# Allegro board 6089-103-RevB_76.brd (continued)
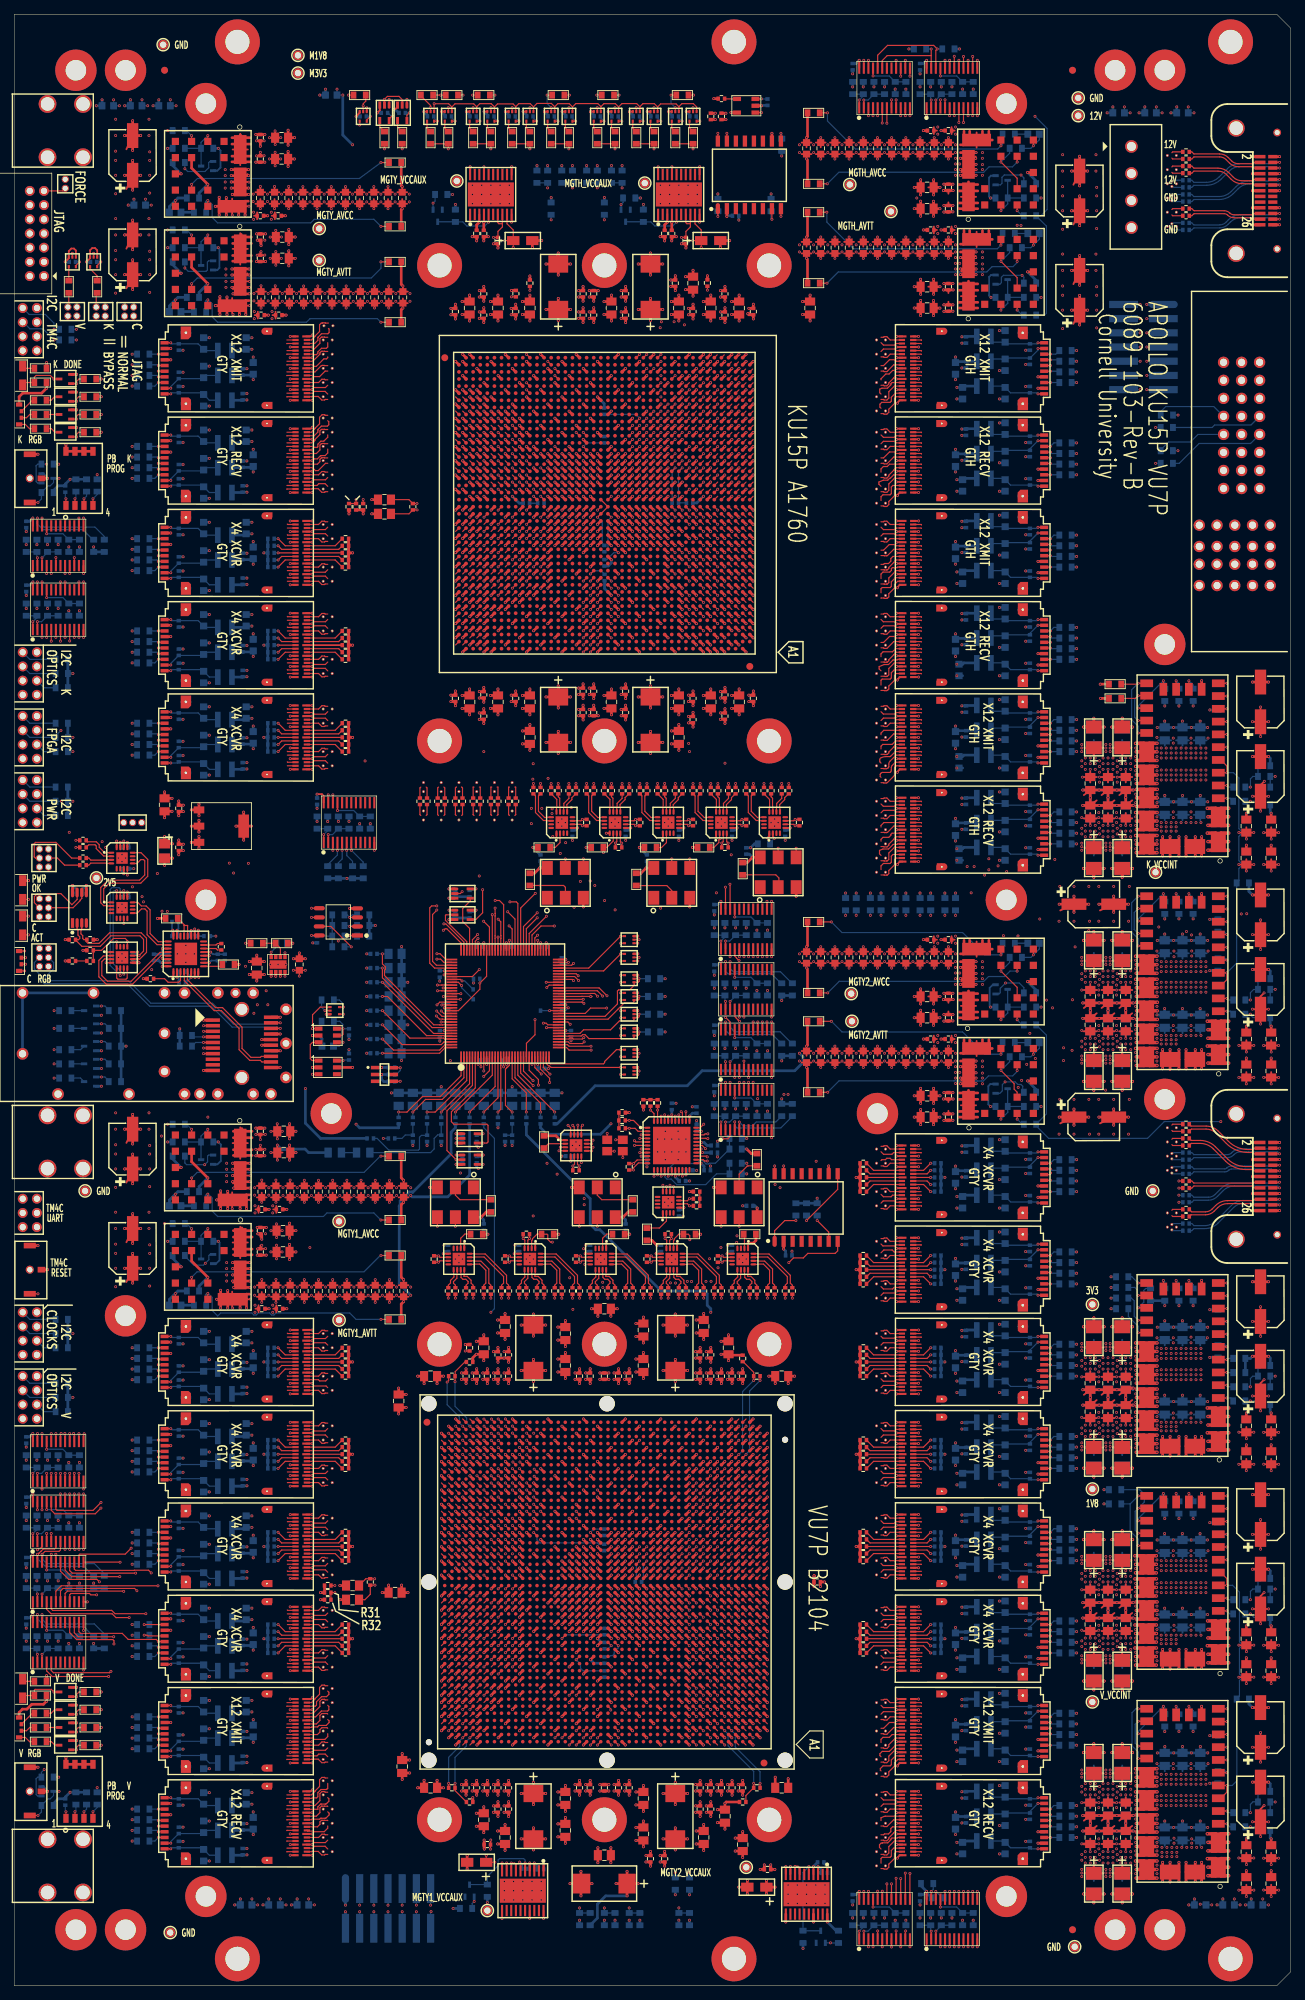
[diagram p0: board, top side]
## Routing (per net, layer and track width the routed paths; a pad name or vN(x,y) marks a point on that pad's centre or on a via; arc(x,y) is an arc through that point) (continued)
43.18,44.9 ; 43.56,44.9 43.38,44.49 ; 172.29,210.23 P1.9 ; P1.9 173.77,210.23 ; P1.9 172.05,210.97 ; P1.9 174.01,210.97 ; P1.9 172.29,211.71 ; P1.9 173.03,211.95 ; P1.9 173.77,211.71 ; P1.9 173.03,209.99 ; VA23.3 44.84,172.28 ; VA23.3 45.02,172.31 ; VA23.3 45.25,171.71 ; VA23.3 45.22,171.9 ; VA23.3 45.16,172.22 ; VA23.3 45.16,171.58 ; VA23.3 45.25,172.09 ; VA23.3 44.84,171.52 ; 121.15,157.09 VA100.4 ; VA100.4 121.15,156.71 ; VA100.4 121.38,156.49 ; VA100.4 121.56,157.28 ; VA100.4 121.24,157.22 ; VA100.4 121.24,156.58 ; VA100.4 121.56,156.52 ; VA100.4 121.18,156.9 ; U13.39 24.77,139.14 ; U13.39 23.01,139.9 ; U13.39 24.77,140.66 ; U13.39 23.25,139.14 ; U13.39 24.01,140.9 ; U13.39 23.25,140.66 ; U13.39 24.01,138.9 ; U13.39 25.02,139.9 ; 121.18,203.9 VA78.4 ; VA78.4 121.56,204.28 ; VA78.4 121.15,204.09 ; VA78.4 121.24,204.22 ; VA78.4 121.38,203.49 ; VA78.4 121.24,203.58 ; VA78.4 121.15,203.71 ; VA78.4 121.56,203.52 ; VA98.3 123.25,160.71 ; VA98.3 123.22,160.9 ; VA98.3 123.16,160.58 ; VA98.3 122.83,161.28 ; VA98.3 123.25,161.09 ; VA98.3 122.83,160.52 ; VA98.3 123.16,161.22 ; VA98.3 123.02,161.31 ; 121.56,39.52 VA125.4 ; VA125.4 121.18,39.9 ; VA125.4 121.15,40.09 ; VA125.4 121.38,39.49 ; VA125.4 121.56,40.28 ; VA125.4 121.24,39.58 ; VA125.4 121.24,40.22 ; VA125.4 121.15,39.71 ; VA128.3 123.16,33.58 ; VA128.3 122.83,33.52 ; VA128.3 123.16,34.22 ; VA128.3 123.22,33.9 ; VA128.3 123.25,34.09 ; VA128.3 122.83,34.28 ; VA128.3 123.25,33.71 ; VA128.3 123.02,34.31 ; PM25.1 10.67,111.33 ; PM25.1 10,111.12 ; PM25.1 10,112.88 ; PM25.1 10.88,112 ; PM25.1 10.67,112.67 ; PM25.1 9.33,112.67 ; PM25.1 9.33,111.33 ; PM25.1 9.12,112 ; 43.56,184.52 43.56,184.9 ; 43.56,184.9 43.15,184.71 ; 43.56,184.9 43.15,185.09 ; 43.56,184.9 43.56,185.28 ; 43.56,184.9 43.24,185.22 ; 43.56,184.9 43.38,184.49 ; 43.56,184.9 43.18,184.9 ; 43.56,184.9 43.24,184.58 ; 173.59,205.8 P1.P2-4 ; P1.P2-4 173.83,206.54 ; P1.P2-4 175.55,205.8 ; P1.P2-4 175.31,205.06 ; P1.P2-4 175.31,206.54 ; P1.P2-4 174.57,206.78 ; P1.P2-4 173.83,205.06 ; P1.P2-4 174.57,204.82 ; 173.03,222.69 P1.14 ; P1.14 172.29,224.41 ; P1.14 172.05,223.67 ; P1.14 174.01,223.67 ; P1.14 172.29,222.93 ; P1.14 173.77,224.41 ; P1.14 173.03,224.65 ; P1.14 173.77,222.93 ; 43.38,85.49 43.56,85.9 ; 43.56,85.9 43.24,86.22 ; 43.56,85.9 43.15,86.09 ; 43.56,85.9 43.18,85.9 ; 43.56,85.9 43.56,86.28 ; 43.56,85.9 43.15,85.71 ; 43.56,85.9 43.24,85.58 ; 43.56,85.9 43.56,85.52 ; 163.84,114.9 164.25,114.71 ; 163.84,114.9 163.84,115.28 ; 163.84,114.9 163.84,114.52 ; 163.84,114.9 164.16,114.58 ; 163.84,114.9 164.16,115.22 ; 163.84,114.9 164.22,114.9 ; 163.84,114.9 164.25,115.09 ; 163.84,114.9 164.02,115.31 ; 43.56,89.9 43.56,90.28 ; 43.56,89.9 43.15,89.71 ; 43.56,89.9 43.38,89.49 ; 43.56,89.9 43.56,89.52 ; 43.56,89.9 43.24,90.22 ; 43.56,89.9 43.15,90.09 ; 43.56,89.9 43.18,89.9 ; 43.56,89.9 43.24,89.58 ; VA101.4 123.25,118.09 ; VA101.4 123.02,118.31 ; VA101.4 122.83,118.28 ; VA101.4 123.22,117.9 ; VA101.4 123.16,117.58 ; VA101.4 123.25,117.71 ; VA101.4 122.83,117.52 ; VA101.4 123.16,118.22 ; VA7.4 45.16,218.58 ; VA7.4 45.02,219.31 ; VA7.4 44.84,218.52 ; VA7.4 45.16,219.22 ; VA7.4 45.22,218.9 ; VA7.4 45.25,218.71 ; VA7.4 44.84,219.28 ; VA7.4 45.25,219.09 ; U112.G2 142.19,93.84 ; U112.G2 141.79,91.97 ; U112.G2 142.91,92.18 ; U112.G2 141.47,93.62 ; U112.G2 142.19,91.96 ; U112.G2 142.91,93.62 ; U112.G2 141.47,92.18 ; U112.G2 141.25,92.9 ; U105.G2 142.91,220.62 ; U105.G2 141.25,219.9 ; U105.G2 142.19,218.96 ; U105.G2 141.79,218.97 ; U105.G2 141.47,219.18 ; U105.G2 142.91,219.18 ; U105.G2 142.19,220.84 ; U105.G2 141.47,220.62 ; 43.38,186.49 43.56,186.9 ; 43.56,186.9 43.18,186.9 ; 43.56,186.9 43.24,187.22 ; 43.56,186.9 43.15,187.09 ; 43.56,186.9 43.15,186.71 ; 43.56,186.9 43.56,186.52 ; 43.56,186.9 43.56,187.28 ; 43.56,186.9 43.24,186.58 ; 3.32,244.9 J1.5 ; J1.5 5.08,244.9 ; J1.5 4.2,244.02 ; J1.5 3.53,244.23 ; J1.5 4.2,245.78 ; J1.5 3.53,245.57 ; J1.5 4.87,244.23 ; J1.5 4.87,245.57 ; 121.38,63.49 VA118.3 ; VA118.3 121.15,64.09 ; VA118.3 121.24,63.58 ; VA118.3 121.56,64.28 ; VA118.3 121.15,63.71 ; VA118.3 121.24,64.22 ; VA118.3 121.56,63.52 ; VA118.3 121.18,63.9 ; 122.83,109.52 VA104.3 ; VA104.3 123.16,109.58 ; VA104.3 123.25,109.71 ; VA104.3 122.83,110.28 ; VA104.3 123.25,110.09 ; VA104.3 123.02,110.31 ; VA104.3 123.22,109.9 ; VA104.3 123.16,110.22 ; 141.47,82.18 U112.G1 ; U112.G1 141.47,83.62 ; U112.G1 142.19,83.84 ; U112.G1 142.19,81.96 ; U112.G1 141.79,81.97 ; U112.G1 142.91,82.18 ; U112.G1 141.25,82.9 ; U112.G1 142.91,83.62 ; 122.83,46.52 VA123.3 ; VA123.3 123.25,46.71 ; VA123.3 123.16,46.58 ; VA123.3 123.22,46.9 ; VA123.3 122.83,47.28 ; VA123.3 123.02,47.31 ; VA123.3 123.16,47.22 ; VA123.3 123.25,47.09 ; U22.G1 25.15,206.9 ; U22.G1 23.49,206.18 ; U22.G1 24.21,207.84 ; U22.G1 24.21,205.96 ; U22.G1 23.49,207.62 ; U22.G1 24.93,206.18 ; U22.G1 24.93,207.62 ; U22.G1 23.81,205.97 ; 44.94,233.9 45.26,233.58 ; 44.94,233.9 45.35,233.71 ; 44.94,233.9 45.12,234.31 ; 44.94,233.9 45.26,234.22 ; 44.94,233.9 45.35,234.09 ; 44.94,233.9 45.32,233.9 ; 44.94,233.9 44.94,234.28 ; 44.94,233.9 44.94,233.52 ; 30.51,140.59 U13.21 ; U13.21 30.3,139.9 ; U13.21 32.1,139.9 ; U13.21 31.2,140.8 ; U13.21 31.89,139.21 ; U13.21 31.2,139 ; U13.21 30.51,139.21 ; U13.21 31.89,140.59 ; 163.84,255.9 164.02,256.31 ; 163.84,255.9 164.25,255.71 ; 163.84,255.9 164.16,256.22 ; 163.84,255.9 164.16,255.58 ; 163.84,255.9 164.22,255.9 ; 163.84,255.9 163.84,256.28 ; 163.84,255.9 164.25,256.09 ; 163.84,255.9 163.84,255.52 ; 43.24,57.58 43.56,57.9 ; 43.56,57.9 43.24,58.22 ; 43.56,57.9 43.15,57.71 ; 43.56,57.9 43.38,57.49 ; 43.56,57.9 43.18,57.9 ; 43.56,57.9 43.56,58.28 ; 43.56,57.9 43.15,58.09 ; 43.56,57.9 43.56,57.52 ; VA50.4 45.25,21.09 ; VA50.4 45.25,20.71 ; VA50.4 44.84,20.52 ; VA50.4 45.22,20.9 ; VA50.4 44.84,21.28 ; VA50.4 45.16,21.22 ; VA50.4 45.16,20.58 ; VA50.4 45.02,21.31 ; 163.84,108.9 163.84,109.28 ; 163.84,108.9 164.25,108.71 ; 163.84,108.9 164.16,109.22 ; 163.84,108.9 164.22,108.9 ; 163.84,108.9 164.25,109.09 ; 163.84,108.9 164.02,109.31 ; 163.84,108.9 164.16,108.58 ; 163.84,108.9 163.84,108.52 ; VA81.3 123.16,198.22 ; VA81.3 123.25,198.09 ; VA81.3 123.22,197.9 ; VA81.3 123.25,197.71 ; VA81.3 123.16,197.58 ; VA81.3 122.83,198.28 ; VA81.3 122.83,197.52 ; VA81.3 123.02,198.31 ; 172.29,226.95 P1.15 ; P1.15 174.01,226.21 ; P1.15 173.03,227.19 ; P1.15 172.05,226.21 ; P1.15 173.77,226.95 ; P1.15 173.03,225.23 ; P1.15 172.29,225.47 ; P1.15 173.77,225.47 ; VA118.4 123.22,63.9 ; VA118.4 122.83,64.28 ; VA118.4 123.16,63.58 ; VA118.4 123.02,64.31 ; VA118.4 123.16,64.22 ; VA118.4 123.25,64.09 ; VA118.4 122.83,63.52 ; VA118.4 123.25,63.71 ; 121.56,35.52 VA127.4 ; VA127.4 121.24,36.22 ; VA127.4 121.15,35.71 ; VA127.4 121.38,35.49 ; VA127.4 121.56,36.28 ; VA127.4 121.18,35.9 ; VA127.4 121.15,36.09 ; VA127.4 121.24,35.58 ; VA35.3 45.16,58.22 ; VA35.3 45.25,57.71 ; VA35.3 45.22,57.9 ; VA35.3 45.02,58.31 ; VA35.3 44.84,58.28 ; VA35.3 45.25,58.09 ; VA35.3 45.16,57.58 ; VA35.3 44.84,57.52 ; 121.18,109.9 VA104.4 ; VA104.4 121.15,109.71 ; VA104.4 121.24,110.22 ; VA104.4 121.56,109.52 ; VA104.4 121.56,110.28 ; VA104.4 121.15,110.09 ; VA104.4 121.38,109.49 ; VA104.4 121.24,109.58 ; 43.24,84.22 43.56,83.9 ; 43.56,83.9 43.56,83.52 ; 43.56,83.9 43.18,83.9 ; 43.56,83.9 43.38,83.49 ; 43.56,83.9 43.15,84.09 ; 43.56,83.9 43.15,83.71 ; 43.56,83.9 43.24,83.58 ; 43.56,83.9 43.56,84.28 ; 20.33,272.83 PM21.1 ; PM21.1 21.67,272.83 ; PM21.1 20.33,274.17 ; PM21.1 21,274.38 ; PM21.1 21.88,273.5 ; PM21.1 21,272.62 ; PM21.1 21.67,274.17 ; PM21.1 20.12,273.5 ; VA82.3 123.02,196.31 ; VA82.3 123.22,195.9 ; VA82.3 123.16,195.58 ; VA82.3 123.16,196.22 ; VA82.3 123.25,195.71 ; VA82.3 122.83,196.28 ; VA82.3 122.83,195.52 ; VA82.3 123.25,196.09 ; VA79.3 123.25,202.09 ; VA79.3 122.83,201.52 ; VA79.3 122.83,202.28 ; VA79.3 123.02,202.31 ; VA79.3 123.22,201.9 ; VA79.3 123.25,201.71 ; VA79.3 123.16,201.58 ; VA79.3 123.16,202.22 ; VA136.3 123.22,16.9 ; VA136.3 123.25,17.09 ; VA136.3 123.16,17.22 ; VA136.3 123.16,16.58 ; VA136.3 123.25,16.71 ; VA136.3 122.83,17.28 ; VA136.3 122.83,16.52 ; VA136.3 123.02,17.31 ; VA94.4 121.56,170.28 ; VA94.4 121.15,170.09 ; VA94.4 121.24,170.22 ; VA94.4 121.15,169.71 ; VA94.4 121.56,169.52 ; VA94.4 121.18,169.9 ; VA94.4 121.24,169.58 ; VA94.4 121.38,169.49 ; 162.56,106.52 VA148.4 ; VA148.4 162.18,106.9 ; VA148.4 162.56,107.28 ; VA148.4 162.15,106.71 ; VA148.4 162.24,107.22 ; VA148.4 162.38,106.49 ; VA148.4 162.24,106.58 ; VA148.4 162.15,107.09 ; J5.8 4.08,163.9 ; J5.8 2.53,164.57 ; J5.8 3.87,163.23 ; J5.8 3.87,164.57 ; J5.8 2.53,163.23 ; J5.8 2.32,163.9 ; J5.8 3.2,164.78 ; J5.8 3.2,163.02 ; 3.53,248.23 J1.9 ; J1.9 4.87,249.57 ; J1.9 4.2,249.78 ; J1.9 4.2,248.02 ; J1.9 3.32,248.9 ; J1.9 5.08,248.9 ; J1.9 3.53,249.57 ; J1.9 4.87,248.23 ; J3.7 1.2,182.78 ; J3.7 2.08,181.9 ; J3.7 1.87,181.23 ; J3.7 2.07,182.28 ; J3.7 1.87,182.57 ; J3.7 1.2,181.02 ; J3.7 1.58,182.77 ; J3.7 2.07,181.52 ; VA69.3 123.25,223.71 ; VA69.3 123.16,224.22 ; VA69.3 123.25,224.09 ; VA69.3 123.02,224.31 ; VA69.3 123.22,223.9 ; VA69.3 122.83,224.28 ; VA69.3 123.16,223.58 ; VA69.3 122.83,223.52 ; 23.81,78.97 U26.G1 ; U26.G1 23.49,80.62 ; U26.G1 24.21,78.96 ; U26.G1 24.93,79.18 ; U26.G1 24.21,80.84 ; U26.G1 24.93,80.62 ; U26.G1 23.49,79.18 ; U26.G1 25.15,79.9 ; P1.13 174.01,221.13 ; P1.13 173.03,222.11 ; P1.13 173.77,221.87 ; P1.13 172.29,221.87 ; P1.13 172.05,221.13 ; P1.13 173.77,220.39 ; P1.13 173.03,220.15 ; P1.13 172.29,220.39 ; 43.56,190.52 43.56,190.9 ; 43.56,190.9 43.38,190.49 ; 43.56,190.9 43.18,190.9 ; 43.56,190.9 43.56,191.28 ; 43.56,190.9 43.24,190.58 ; 43.56,190.9 43.24,191.22 ; 43.56,190.9 43.15,190.71 ; 43.56,190.9 43.15,191.09 ; 141.79,26.97 U117.G2 ; U117.G2 141.47,27.18 ; U117.G2 142.91,27.18 ; U117.G2 141.47,28.62 ; U117.G2 142.19,28.84 ; U117.G2 142.91,28.62 ; U117.G2 142.19,26.96 ; U117.G2 141.25,27.9 ; VA109.4 123.25,91.71 ; VA109.4 123.16,92.22 ; VA109.4 122.83,92.28 ; VA109.4 123.16,91.58 ; VA109.4 122.83,91.52 ; VA109.4 123.22,91.9 ; VA109.4 123.25,92.09 ; VA109.4 123.02,92.31 ; 43.56,41.9 43.56,42.28 ; 43.56,41.9 43.24,42.22 ; 43.56,41.9 43.15,41.71 ; 43.56,41.9 43.56,41.52 ; 43.56,41.9 43.15,42.09 ; 43.56,41.9 43.18,41.9 ; 43.56,41.9 43.24,41.58 ; 43.56,41.9 43.38,41.49 ; VA134.3 123.16,21.22 ; VA134.3 122.83,20.52 ; VA134.3 123.25,21.09 ; VA134.3 123.02,21.31 ; VA134.3 123.16,20.58 ; VA134.3 123.25,20.71 ; VA134.3 123.22,20.9 ; VA134.3 122.83,21.28 ; 121.24,51.22 VA122.3 ; VA122.3 121.15,50.71 ; VA122.3 121.18,50.9 ; VA122.3 121.24,50.58 ; VA122.3 121.56,51.28 ; VA122.3 121.56,50.52 ; VA122.3 121.38,50.49 ; VA122.3 121.15,51.09 ; VA78.3 123.25,203.71 ; VA78.3 123.25,204.09 ; VA78.3 122.83,203.52 ; VA78.3 122.83,204.28 ; VA78.3 123.22,203.9 ; VA78.3 123.16,203.58 ; VA78.3 123.02,204.31 ; VA78.3 123.16,204.22 ; 121.18,20.9 VA134.4 ; VA134.4 121.24,20.58 ; VA134.4 121.24,21.22 ; VA134.4 121.56,21.28 ; VA134.4 121.15,21.09 ; VA134.4 121.38,20.49 ; VA134.4 121.56,20.52 ; VA134.4 121.15,20.71 ; 69.88,163.94 70.2,164.26 ; 70.2,164.26 70.61,164.08 ; 70.2,164.26 70.01,163.85 ; 70.2,164.26 69.82,164.26 ; 70.2,164.26 70.52,163.94 ; 70.2,164.26 70.2,163.88 ; 70.2,164.26 69.79,164.08 ; 70.2,164.26 70.58,164.26 ; VA86.3 123.02,187.31 ; VA86.3 123.25,187.09 ; VA86.3 123.22,186.9 ; VA86.3 123.16,186.58 ; VA86.3 122.83,186.52 ; VA86.3 122.83,187.28 ; VA86.3 123.16,187.22 ; VA86.3 123.25,186.71 ; 121.24,230.22 VA66.4 ; VA66.4 121.56,229.52 ; VA66.4 121.18,229.9 ; VA66.4 121.15,230.09 ; VA66.4 121.38,229.49 ; VA66.4 121.15,229.71 ; VA66.4 121.24,229.58 ; VA66.4 121.56,230.28 ; J1.1 4.87,241.57 ; J1.1 3.53,241.57 ; J1.1 3.32,240.9 ; J1.1 5.08,240.9 ; J1.1 4.87,240.23 ; J1.1 4.2,241.78 ; J1.1 4.2,240.02 ; J1.1 3.53,240.23 ; 163.84,247.9 164.22,247.9 ; 163.84,247.9 163.84,248.28 ; 163.84,247.9 164.16,247.58 ; 163.84,247.9 164.02,248.31 ; 163.84,247.9 164.16,248.22 ; 163.84,247.9 164.25,247.71 ; 163.84,247.9 164.25,248.09 ; 163.84,247.9 163.84,247.52 ; VA39.3 45.25,44.71 ; VA39.3 45.25,45.09 ; VA39.3 44.84,44.52 ; VA39.3 45.22,44.9 ; VA39.3 45.16,44.58 ; VA39.3 45.16,45.22 ; VA39.3 45.02,45.31 ; VA39.3 44.84,45.28 ; 44.84,177.52 VA21.4 ; VA21.4 45.22,177.9 ; VA21.4 45.02,178.31 ; VA21.4 45.25,177.71 ; VA21.4 45.16,178.22 ; VA21.4 45.16,177.58 ; VA21.4 44.84,178.28 ; VA21.4 45.25,178.09 ; VA25.4 45.25,89.71 ; VA25.4 45.16,90.22 ; VA25.4 45.16,89.58 ; VA25.4 44.84,89.52 ; VA25.4 45.22,89.9 ; VA25.4 45.25,90.09 ; VA25.4 44.84,90.28 ; VA25.4 45.02,90.31 ; 141.47,193.18 U107.G2 ; U107.G2 142.91,193.18 ; U107.G2 142.19,192.96 ; U107.G2 142.19,194.84 ; U107.G2 141.25,193.9 ; U107.G2 141.79,192.97 ; U107.G2 141.47,194.62 ; U107.G2 142.91,194.62 ; 141.25,69.9 U113.G1 ; U113.G1 141.79,68.97 ; U113.G1 142.19,70.84 ; U113.G1 141.47,70.62 ; U113.G1 142.91,69.18 ; U113.G1 142.91,70.62 ; U113.G1 142.19,68.96 ; U113.G1 141.47,69.18 ; VA83.4 121.56,193.28 ; VA83.4 121.38,192.49 ; VA83.4 121.18,192.9 ; VA83.4 121.15,192.71 ; VA83.4 121.24,193.22 ; VA83.4 121.15,193.09 ; VA83.4 121.56,192.52 ; VA83.4 121.24,192.58 ; 43.38,63.49 43.56,63.9 ; 43.56,63.9 43.18,63.9 ; 43.56,63.9 43.24,64.22 ; 43.56,63.9 43.56,63.52 ; 43.56,63.9 43.15,63.71 ; 43.56,63.9 43.24,63.58 ; 43.56,63.9 43.56,64.28 ; 43.56,63.9 43.15,64.09 ; U30.G1 24.93,28.62 ; U30.G1 23.49,28.62 ; U30.G1 24.21,28.84 ; U30.G1 24.21,26.96 ; U30.G1 23.81,26.97 ; U30.G1 25.15,27.9 ; U30.G1 23.49,27.18 ; U30.G1 24.93,27.18 ; U114.G2 142.91,67.62 ; U114.G2 141.25,66.9 ; U114.G2 141.47,66.18 ; U114.G2 141.79,65.97 ; U114.G2 142.19,67.84 ; U114.G2 141.47,67.62 ; U114.G2 142.19,65.96 ; U114.G2 142.91,66.18 ; 43.18,199.9 43.56,199.9 ; 43.56,199.9 43.24,200.22 ; 43.56,199.9 43.15,200.09 ; 43.56,199.9 43.24,199.58 ; 43.56,199.9 43.56,200.28 ; 43.56,199.9 43.56,199.52 ; 43.56,199.9 43.15,199.71 ; 43.56,199.9 43.38,199.49 ; U108.G1 142.19,171.84 ; U108.G1 141.79,169.97 ; U108.G1 141.47,171.62 ; U108.G1 141.47,170.18 ; U108.G1 142.91,171.62 ; U108.G1 142.19,169.96 ; U108.G1 141.25,170.9 ; U108.G1 142.91,170.18 ; U23.G2 24.93,184.62 ; U23.G2 23.49,183.18 ; U23.G2 23.49,184.62 ; U23.G2 24.21,184.84 ; U23.G2 23.81,182.97 ; U23.G2 24.93,183.18 ; U23.G2 25.15,183.9 ; U23.G2 24.21,182.96 ; P1.P2-2 177.81,205.06 ; P1.P2-2 176.33,206.54 ; P1.P2-2 177.81,206.54 ; P1.P2-2 176.09,205.8 ; P1.P2-2 178.05,205.8 ; P1.P2-2 176.33,205.06 ; P1.P2-2 177.07,206.78 ; P1.P2-2 177.07,204.82 ; VA116.3 123.16,70.58 ; VA116.3 123.25,71.09 ; VA116.3 123.02,71.31 ; VA116.3 122.83,71.28 ; VA116.3 123.16,71.22 ; VA116.3 123.22,70.9 ; VA116.3 123.25,70.71 ; VA116.3 122.83,70.52 ; 121.56,186.52 VA86.4 ; VA86.4 121.15,186.71 ; VA86.4 121.18,186.9 ; VA86.4 121.24,186.58 ; VA86.4 121.15,187.09 ; VA86.4 121.38,186.49 ; VA86.4 121.56,187.28 ; VA86.4 121.24,187.22 ; 43.56,223.9 43.56,224.28 ; 43.56,223.9 43.56,223.52 ; 43.56,223.9 43.15,224.09 ; 43.56,223.9 43.24,223.58 ; 43.56,223.9 43.38,223.49 ; 43.56,223.9 43.24,224.22 ; 43.56,223.9 43.18,223.9 ; 43.56,223.9 43.15,223.71 ; 121.38,197.49 VA81.4 ; VA81.4 121.56,197.52 ; VA81.4 121.24,197.58 ; VA81.4 121.56,198.28 ; VA81.4 121.15,198.09 ; VA81.4 121.24,198.22 ; VA81.4 121.15,197.71 ; VA81.4 121.18,197.9 ; 122.83,162.52 VA97.3 ; VA97.3 122.83,163.28 ; VA97.3 123.25,163.09 ; VA97.3 123.22,162.9 ; VA97.3 123.02,163.31 ; VA97.3 123.16,162.58 ; VA97.3 123.16,163.22 ; VA97.3 123.25,162.71 ; 121.24,206.22 VA77.4 ; VA77.4 121.15,205.71 ; VA77.4 121.56,206.28 ; VA77.4 121.15,206.09 ; VA77.4 121.38,205.49 ; VA77.4 121.24,205.58 ; VA77.4 121.18,205.9 ; VA77.4 121.56,205.52 ; P1.P2-3 175.31,202.06 ; P1.P2-3 175.31,203.54 ; P1.P2-3 173.83,202.06 ; P1.P2-3 175.55,202.8 ; P1.P2-3 173.59,202.8 ; P1.P2-3 173.83,203.54 ; P1.P2-3 174.57,201.82 ; P1.P2-3 174.57,203.78 ; 69.88,167.94 70.2,168.26 ; 70.2,168.26 70.52,167.94 ; 70.2,168.26 70.61,168.08 ; 70.2,168.26 69.82,168.26 ; 70.2,168.26 70.2,167.88 ; 70.2,168.26 69.79,168.08 ; 70.2,168.26 70.58,168.26 ; 70.2,168.26 70.01,167.85 ; 43.56,35.9 43.56,36.28 ; 43.56,35.9 43.38,35.49 ; 43.56,35.9 43.24,36.22 ; 43.56,35.9 43.15,35.71 ; 43.56,35.9 43.15,36.09 ; 43.56,35.9 43.24,35.58 ; 43.56,35.9 43.18,35.9 ; 43.56,35.9 43.56,35.52 ; 57.29,165.72 VA54.4 ; VA54.4 58.08,165.53 ; VA54.4 57.89,165.95 ; VA54.4 58.02,165.86 ; VA54.4 57.7,165.92 ; VA54.4 58.11,165.72 ; VA54.4 57.32,165.53 ; VA54.4 57.38,165.86 ; U13.24 39.07,133.55 ; U13.24 39.32,132.79 ; U13.24 37.55,133.55 ; U13.24 37.31,132.79 ; U13.24 39.07,132.03 ; U13.24 37.55,132.03 ; U13.24 38.31,133.79 ; U13.24 38.31,131.78 ; VA58.4 62.7,165.92 ; VA58.4 63.11,165.72 ; VA58.4 62.32,165.53 ; VA58.4 63.08,165.53 ; VA58.4 63.02,165.86 ; VA58.4 62.29,165.72 ; VA58.4 62.38,165.86 ; VA58.4 62.89,165.95 ; 43.15,211.09 43.56,210.9 ; 43.56,210.9 43.38,210.49 ; 43.56,210.9 43.56,211.28 ; 43.56,210.9 43.24,210.58 ; 43.56,210.9 43.24,211.22 ; 43.56,210.9 43.15,210.71 ; 43.56,210.9 43.18,210.9 ; 43.56,210.9 43.56,210.52 ; 122.83,231.52 VA65.3 ; VA65.3 123.25,231.71 ; VA65.3 123.02,232.31 ; VA65.3 123.16,231.58 ; VA65.3 122.83,232.28 ; VA65.3 123.22,231.9 ; VA65.3 123.16,232.22 ; VA65.3 123.25,232.09 ; VA9.4 45.25,215.09 ; VA9.4 45.16,214.58 ; VA9.4 45.25,214.71 ; VA9.4 44.84,214.52 ; VA9.4 44.84,215.28 ; VA9.4 45.16,215.22 ; VA9.4 45.22,214.9 ; VA9.4 45.02,215.31 ; PM24.1 161.17,111.33 ; PM24.1 159.83,111.33 ; PM24.1 161.17,112.67 ; PM24.1 160.5,111.12 ; PM24.1 159.83,112.67 ; PM24.1 159.62,112 ; PM24.1 161.38,112 ; PM24.1 160.5,112.88 ; 43.38,18.49 43.56,18.9 ; 43.56,18.9 43.15,19.09 ; 43.56,18.9 43.18,18.9 ; 43.56,18.9 43.24,19.22 ; 43.56,18.9 43.56,18.52 ; 43.56,18.9 43.15,18.71 ; 43.56,18.9 43.56,19.28 ; 43.56,18.9 43.24,18.58 ; 162.24,108.58 VA147.4 ; VA147.4 162.38,108.49 ; VA147.4 162.15,108.71 ; VA147.4 162.24,109.22 ; VA147.4 162.15,109.09 ; VA147.4 162.18,108.9 ; VA147.4 162.56,109.28 ; VA147.4 162.56,108.52 ; 141.25,53.9 U115.G2 ; U115.G2 142.91,53.18 ; U115.G2 142.91,54.62 ; U115.G2 141.79,52.97 ; U115.G2 142.19,54.84 ; U115.G2 141.47,54.62 ; U115.G2 141.47,53.18 ; U115.G2 142.19,52.96 ; VA93.3 123.22,171.9 ; VA93.3 123.02,172.31 ; VA93.3 123.25,171.71 ; VA93.3 122.83,171.52 ; VA93.3 123.16,172.22 ; VA93.3 123.25,172.09 ; VA93.3 122.83,172.28 ; VA93.3 123.16,171.58 ; P1.P2-6 173.05,205.8 ; P1.P2-6 172.81,205.06 ; P1.P2-6 172.07,204.82 ; P1.P2-6 171.33,205.06 ; P1.P2-6 172.81,206.54 ; P1.P2-6 171.09,205.8 ; P1.P2-6 171.33,206.54 ; P1.P2-6 172.07,206.78 ; 2.53,172.23 J4.8 ; J4.8 3.87,172.23 ; J4.8 4.08,172.9 ; J4.8 3.87,173.57 ; J4.8 2.32,172.9 ; J4.8 2.53,173.57 ; J4.8 3.2,173.78 ; J4.8 3.2,172.02 ; 43.15,216.71 43.56,216.9 ; 43.56,216.9 43.15,217.09 ; 43.56,216.9 43.56,216.52 ; 43.56,216.9 43.56,217.28 ; 43.56,216.9 43.24,217.22 ; 43.56,216.9 43.38,216.49 ; 43.56,216.9 43.24,216.58 ; 43.56,216.9 43.18,216.9 ; 23.49,67.62 U27.G1 ; U27.G1 23.81,65.97 ; U27.G1 24.21,67.84 ; U27.G1 24.93,66.18 ; U27.G1 24.93,67.62 ; U27.G1 23.49,66.18 ; U27.G1 24.21,65.96 ; U27.G1 25.15,66.9 ; 162.18,249.9 VA141.4 ; VA141.4 162.38,249.49 ; VA141.4 162.15,250.09 ; VA141.4 162.24,249.58 ; VA141.4 162.56,250.28 ; VA141.4 162.24,250.22 ; VA141.4 162.15,249.71 ; VA141.4 162.56,249.52 ; VA120.3 122.83,58.28 ; VA120.3 123.25,57.71 ; VA120.3 123.16,58.22 ; VA120.3 123.16,57.58 ; VA120.3 123.25,58.09 ; VA120.3 123.22,57.9 ; VA120.3 122.83,57.52 ; VA120.3 123.02,58.31 ; P1.11 174.01,216.05 ; P1.11 172.29,215.31 ; P1.11 173.77,215.31 ; P1.11 172.05,216.05 ; P1.11 173.77,216.79 ; P1.11 173.03,217.03 ; P1.11 172.29,216.79 ; P1.11 173.03,215.07 ; VA12.4 45.25,205.71 ; VA12.4 45.02,206.31 ; VA12.4 44.84,205.52 ; VA12.4 45.16,206.22 ; VA12.4 45.16,205.58 ; VA12.4 44.84,206.28 ; VA12.4 45.22,205.9 ; VA12.4 45.25,206.09 ; VA27.3 45.25,83.71 ; VA27.3 45.16,83.58 ; VA27.3 44.84,84.28 ; VA27.3 45.02,84.31 ; VA27.3 45.16,84.22 ; VA27.3 45.25,84.09 ; VA27.3 44.84,83.52 ; VA27.3 45.22,83.9 ; J7.8 3.2,89.78 ; J7.8 2.53,88.23 ; J7.8 4.08,88.9 ; J7.8 2.32,88.9 ; J7.8 3.87,89.57 ; J7.8 2.53,89.57 ; J7.8 3.2,88.02 ; J7.8 3.87,88.23 ; 167.07,201.82 P1.P2-9 ; P1.P2-9 167.81,202.06 ; P1.P2-9 167.07,203.78 ; P1.P2-9 166.33,203.54 ; P1.P2-9 166.09,202.8 ; P1.P2-9 166.33,202.06 ; P1.P2-9 167.81,203.54 ; P1.P2-9 168.05,202.8 ; 171.09,202.8 P1.P2-5 ; P1.P2-5